# Altium PCB 6502_CPU_MainBoard_PCB_V1_2_x.PcbDoc (part 2 of 4)
Units mil, origin at the board's own origin, x right, y up, seen from the top; angles counter-clockwise.
Board outline 9000 x 6000 mil, 4 copper layers (Top Layer, Plane(GND), Plane(Power), Bottom Layer), stack 23.756 mil thick; 366 components, 374 nets, 1460 pads, 604 vias.
Unrouted connection lines stored in the file: 40.
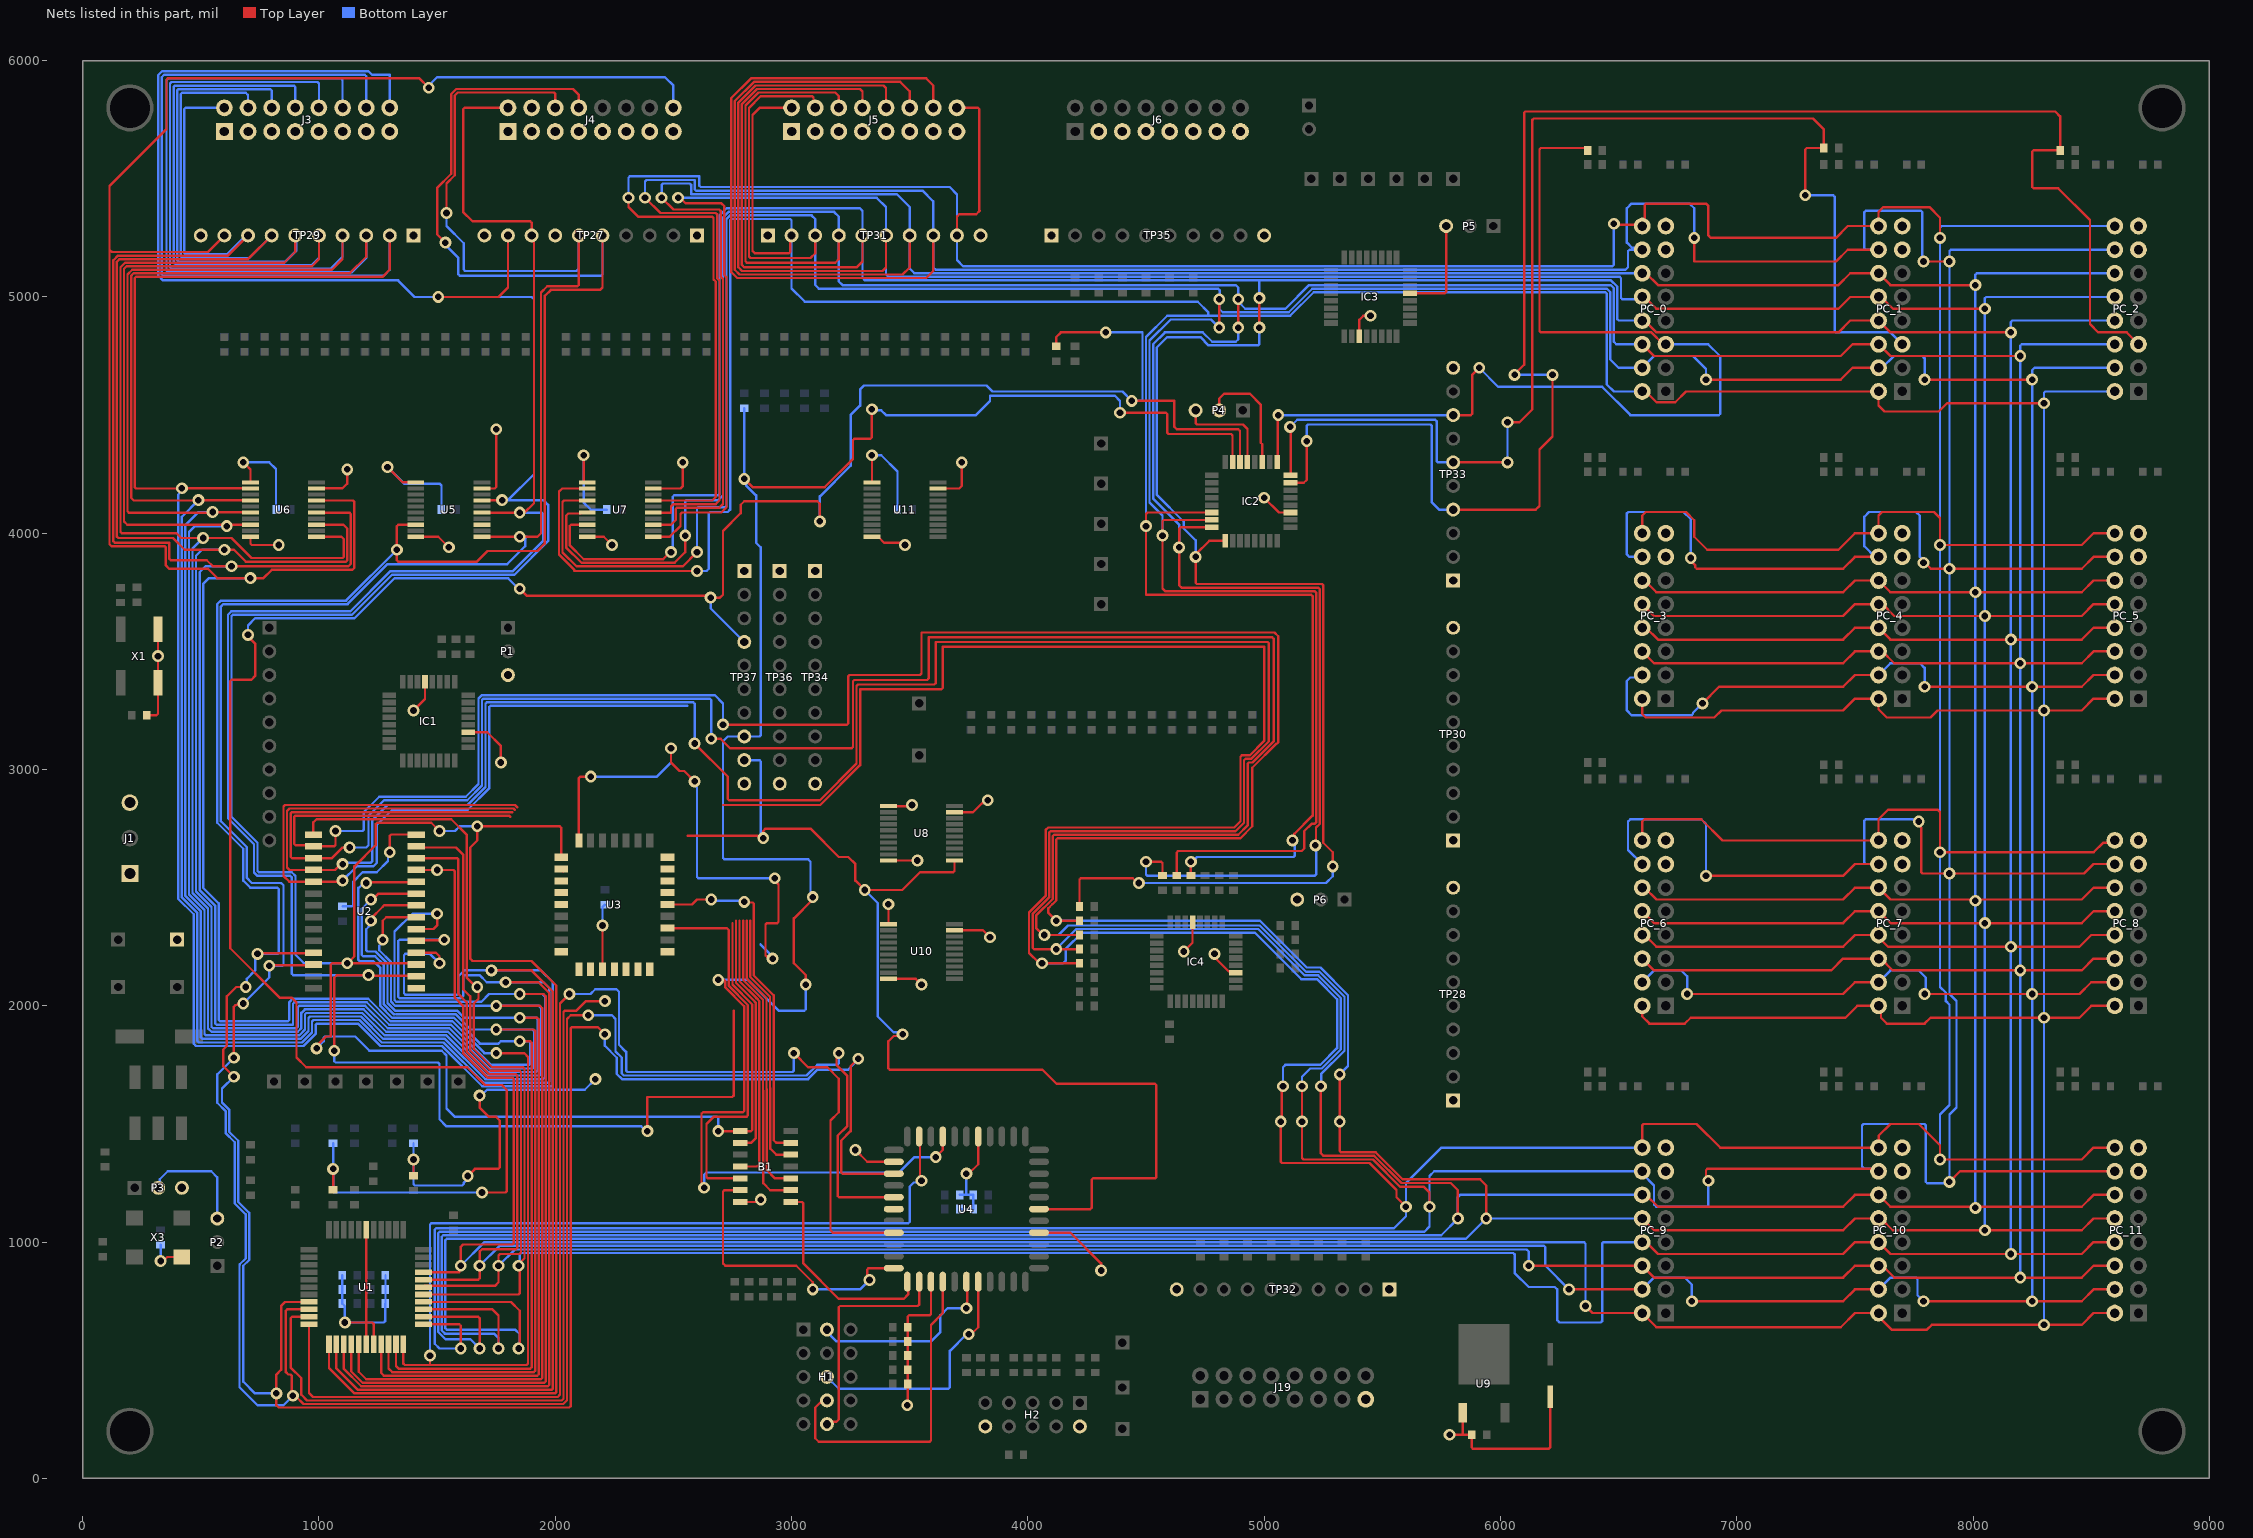
[diagram p4: the nets of this part, all layers, seen from the top]

## Via types
v1: diameter 50, hole 28, Top Layer to Bottom Layer, 604 vias

## Nets (pads, with @x,y where several pads share a name; then routed paths per layer and width w, separated by ;. In a path a pad name is that pad's centre, name@x,y a point inside that pad or via, vN(x,y) a via of type N, cw(c..) or ccw(c..) an arc to the next point about the centre after c; other vN are vias at no path point) (continued)
A3: J4.8 TP27.5 U1.8 U2.25 U3.9 U4.31 U5.8 | length 15188.2
  Top Layer w10: v1(640,1700) 595,1745 595,1815 610,1830 610,2040 650,2080 v1(690,2080) ; v1@730,2220 v1(740,2220) 742.5,2222.5 974.17,2222.5 U2.25@976.67,2225 ; U1.8@957.87,747.01 857.01,747.01 840,730 840,460 820,440 v1(820,360) 820,310 830,300 2059.14,300 2065,305.86 2065,1904.14 2070.86,1910 2180,1910 v1(2210,1880) ; v1@1330,3926.59 1330,3885.86 1335.86,3880 1668.79,3880 1713.79,3925 1925,3925 1956,3956 1956,5004.28 1981.72,5030 2190,5030 2200,5040 TP27.5@2200,5260 ; v1(1330,3930) 1330,4030.17 1335.86,4036.02 U5.8@1410.24,4036.02 ; v1(1535,5230) 1500,5265 1500,5461.21 1560,5521.21 1560,5858.79 1581.21,5880 2075,5880 2100,5855 J4.8@2100,5800 ; v1(3282.35,1776.49) 3250,1744.14 3250,1470 3210,1430 3210,1295.86 3215.86,1290 U4.31@3432.79,1290
  Bottom Layer w10: v1(640,1700) 590,1650 590,1591.21 620,1561.21 620,1467.57 658.79,1428.79 658.79,1170 705,1123.79 705,925 680,900 680,410 730,360 v1(820,360) ; v1(690,2080) 690,2090 695,2095 695,2114.5 730,2149.5 730,2220 v1(740,2220) 824.14,2220 830,2225.86 830,2494.14 824.14,2500 710,2500 680,2530 680,2665 570,2775 570,3700 585,3715 1115,3715 v1(1330,3930) ; v1(1535,5230) 1535,5219.18 1590,5164.18 1590,5095.86 1595.86,5090 2194.14,5090 2200,5095.86 TP27.5@2200,5260 ; v1(2210,1880) 2210,1831.21 2260.61,1780.61 2260.61,1711.82 2282.43,1690 3070,1690 3110,1730 3240,1730 3282.35,1772.35 v1(3282.35,1776.49)
A4: J4.6 TP27.6 U1.9 U2.26 U3.8 U4.33 U5.11 | length 14779
  Top Layer w10: v1(640,1780) 640,1996.36 647.07,2003.43 652.61,2003.43 669.18,2020 v1@680,2020 ; v1@791.21,2168.79 v1(790,2170) 792.5,2172.5 974.17,2172.5 U2.26@976.67,2175 ; U1.9@957.87,715.51 865.86,715.51 860,709.65 860,450 870,440 879.27,440 885.13,434.14 885.13,354.87 v1(890,350) 900,350 935,315 2034.14,315 2050,330.86 2050,1944.14 2065.86,1960 v1(2140,1960) ; v1(1540,5355) 1540,5480 1575,5515 1575,5852.57 1587.43,5865 1994.14,5865 2000,5859.14 J4.6@2000,5800 ; U5.11@1689.76,3984.84 v1(1850,3984.84) 1924.89,3984.84 1940,3999.95 1940,5019.14 1965.86,5045 2094.14,5045 2100,5050.86 TP27.6@2100,5260 ; v1@3190,1800 3190,1750 3235,1705 3235,1490 3195,1450 3195,1195.86 3200.86,1190 U4.33@3432.79,1190
  Bottom Layer w10: v1(640,1780) 570,1710 570,1590 605,1555 605,1461.36 643.79,1422.57 643.79,1163.79 690,1117.57 690,931.21 665,906.21 665,905 664.14,904.14 664.14,385.86 740,310 850,310 v1(890,350) ; v1(680,2010) 790,2120 v1(790,2170) 844.14,2170 850,2175.86 850,2510 840,2520 715.86,2520 695,2540.86 695,2671.21 585,2781.21 585,3690 595,3700 1121.21,3700 1290.74,3869.53 1797.1,3869.53 1872.42,3944.84 1872.42,3977.26 1880,3984.84 ; v1(1540,5355) 1540,5300 1612.5,5227.5 1612.5,5115.86 1618.36,5110 2090,5110 2100,5120 TP27.6@2100,5260 ; v1(2140,1960) 2240,1960 2255,1945 2255,1807.43 2281.21,1781.21 2281.21,1713.79 2290,1705 3063.79,1705 3108.79,1750 3194.14,1750 3200,1755.86 v1(3200,1800)
A5: J4.4 TP27.7 U1.10 U2.1 U3.7 U4.34 U5.13 | length 3376.4
  Top Layer w10: U1.10@957.87,684.02 885.86,684.02 880,678.16 880,470 925,425 925,355 950,330 2027.93,330 2035,337.07 2035,1974.14 2040.86,1980 2090,1980 2130,2020 v1(2210,2020)
A6: J4.2 TP27.8 U1.11 U2.2 U3.6 U4.36 U5.15 | length 14843.7
  Top Layer w10: U1.11@957.87,652.52 957.87,362.13 975,345 2010.36,345 2020,354.64 2020,2010 v1(2060,2050) ; v1@1065,1800 v1(1065,1810) 1065,2119.14 1075.86,2130 v1(1210,2130) 1212.5,2127.5 1409.21,2127.5 U2.2@1411.71,2125 ; U5.15@1689.76,4087.2 1870,4087.2 1910,4127.2 1910,5229.61 1909.39,5230.23 1909.39,5250.61 TP27.8@1900,5260 1900,5314.14 1894.14,5320 1650,5320 1610,5360 1610,5794.14 1615.86,5800 J4.2@1800,5800 ; U3.6@2025,2579 U3.6@2034,2570 ; v1(2390,1470) 2390,1614.14 2749.14,1614.14 2755,1620 2755,1978.93 2754.47,1979.47 ; v1(3010,1800) 3070,1740 3151.72,1740 3200,1691.72 3200,1550 3165,1515 3165,1050 3175,1040 U4.36@3432.79,1040
  Bottom Layer w10: v1(1065,1810) 1065,1765.86 1070.86,1760 1504.14,1760 1510,1754.14 1510,1520 1540,1490 2364.14,1490 2384.14,1470 v1(2390,1470) ; v1(1210,2130) 891.46,2130 885.61,2135.86 885.61,2543.18 878.79,2550 739.64,2550 725,2564.64 725,2683.79 615,2793.79 615,3655.36 629.64,3670 1133.64,3670 1303.17,3839.53 1820.74,3839.53 1950,3968.79 1950,4080 1942.8,4087.2 v1@1870,4087.2 ; v1(2060,2050) 2148.99,2050 2168.99,2070 2259.29,2070 2270,2059.29 2270,1835 2300,1805 2300,1725.86 2305.86,1720 3004.14,1720 3010,1725.86 v1(3010,1800)
  other v1: 1850,4087.2
A7: B1.1 J3.16 TP27.9 U1.12 U2.3 U3.5 U5.17 | length 18054.4
  Top Layer w10: v1(990,1820) 990,1830 1030,1870 1050,1870 1050,2174.14 1055.86,2180 v1(1120,2180) ; U1.12@1042.52,567.87 1042.52,467.48 1150,360 1999.14,360 2005,365.86 2005,2085 1900,2190 1650,2190 1640,2200 1640,2670 1670,2700 v1(1670,2760) 2019.14,2760 2025,2754.14 U3.5@2025,2629 ; U2.3@1414.21,2172.5 1406.71,2180 v1(1120,2180) ; v1(1505,5000) 1760,5000 1800,5040 TP27.9@1800,5260 ; v1(1510,2740) 1475,2775 1245.86,2775 1240,2769.14 1240,2680 1150,2590 1150,2210 v1(1120,2180) ; U5.17@1689.76,4138.39 1690.57,4139.19 1774.19,4139.19 v1(1775,4140) ; v1(2690,1470) B1.1@2783.23,1470 2828.25,1470 2834.11,1475.86 2834.11,2005.89 2750,2090 2750,2350
  Bottom Layer w10: v1(990,1820) 1020,1850 1020,1864.14 1025.86,1870 1153.36,1870 1213.36,1810 1520,1810 1540,1790 1540,1565.86 1575.86,1530 2684.14,1530 2690,1524.14 v1(2690,1470) ; v1(1120,2180) 936.46,2180 900.61,2215.86 900.61,2549.39 885,2565 745.86,2565 740,2570.86 740,2690 630,2800 630,3649.14 635.86,3655 1139.85,3655 1309.38,3824.53 1826.95,3824.53 1970,3967.57 1970,4120 1950,4140 1800,4140 1910,4250 1910,4990 1900,5000 v1(1505,5000) 1405,5000 1335,5070 340,5070 320,5090 320,5939.14 335.86,5955 1210,5955 1225,5940 1300,5940 J3.16@1300,5800 ; v1(1510,2740) 1576.17,2740 1596.17,2760 v1(1670,2760)
A8: B1.2 J3.14 TP29.2 U1.13 U2.4 U3.27 U6.2 | length 15359.3
  Top Layer w10: U6.2@710.24,4189.57 710.02,4189.78 420.22,4189.78 v1(420,4190) 419.57,4189.57 225.86,4189.57 220,4195.42 220,5079.14 225.86,5085 1269.14,5085 1300,5115.86 TP29.2@1300,5260 ; U1.13@1074.02,567.87 1074.02,465.98 1165,375 1984.14,375 1990,380.86 1990,2060 1900,2150 v1(1730,2150) ; U2.4@1411.71,2225 1495,2225 1510,2210 v1(1510,2180) ; 2765,2360 2765,2097.72 2845,2017.72 2845,2016.21 2849.11,2012.11 2849.11,1440.86 2828.25,1420 B1.2@2783.23,1420
  Bottom Layer w10: v1(420,4190) 420,4179.18 405,4164.18 405,2452.57 470,2387.57 470,1840 480,1830 935,1830 985.86,1880.86 985.86,1919.14 991.72,1925 1165,1925 1260,1830 1521.21,1830 1691.21,1660 1984.14,1660 1990,1665.86 1990,2100 1940,2150 v1(1730,2150) 1614.64,2150 1590,2125.36 1590,2053.14 1584.14,2047.28 1365.86,2047.28 1360,2053.14 1360,2214.14 1365.86,2220 1470,2220 v1(1510,2180) ; J3.14@1200,5800 1200,5934.14 1194.14,5940 345,5940 335,5930 335,5096.21 341.21,5090 1275,5090 1300,5115 TP29.2@1300,5260
A9: B1.4 J3.12 TP29.3 U1.14 U2.5 U3.26 U6.4 | length 14948.6
  Top Layer w10: U6.4@710.24,4138.39 709.43,4139.19 490.81,4139.19 v1(490,4140) 488.39,4138.39 216.61,4138.39 205,4150 205,5089.14 215.86,5100 1130,5100 1200,5170 TP29.3@1200,5260 ; U1.14@1105.51,567.87 1105.51,463.27 1178.79,390 1969.14,390 1975,395.86 1975,2053.79 1928.79,2100 v1(1790,2100) ; U2.5@1411.71,2275 1414.21,2277.5 1527.5,2277.5 v1(1530,2280) ; 2780,2360 2780,2103.93 2851.21,2032.72 2864.11,2019.83 2864.11,1329.96 2854.14,1320 B1.4@2783.23,1320
  Bottom Layer w10: v1(490,4140) 420,4070 420,2458.79 485.61,2393.18 485.61,1851.46 492.07,1845 928.79,1845 970.86,1887.07 970.86,1934.14 976.72,1940 1171.21,1940 1266.21,1845 1527.43,1845 1697.43,1675 1969.14,1675 1975,1680.86 1975,2075 1950,2100 1710,2100 1680,2130 1615.86,2130 1610,2124.14 1610,2042.28 1600,2032.28 1340.86,2032.28 1335,2038.14 1335,2274.14 1340.86,2280 v1(1530,2280) ; J3.12@1100,5800 1100,5918.54 1094.14,5924.39 360.86,5924.39 355,5918.54 355,5110.86 360.86,5105 1140,5105 1200,5165 TP29.3@1200,5260
A10: B1.5 J3.10 TP29.4 U1.15 U2.6 U3.23 U6.6 | length 14890.7
  Top Layer w10: U6.6@710.24,4087.2 708.84,4088.6 551.4,4088.6 v1(550,4090) 547.2,4087.2 195.86,4087.2 190,4093.06 190,5095.36 209.64,5115 1055,5115 1100,5160 TP29.4@1100,5260 ; U1.15@1137.01,567.87 1137.01,452.99 1185,405 1954.14,405 1960,410.86 1960,2040 1950,2050 v1(1850,2050) ; U2.6@1411.71,2325 1485,2325 1500,2340 v1(1500,2390) ; U3.23@2475,2329 2726,2329 2735,2320 2735,2083.79 2815,2003.79 2815,1535.86 2809.14,1530 2670,1530 2640,1500 2640,1275.86 2645.86,1270 B1.5@2783.23,1270
  Bottom Layer w10: v1(550,4090) 490,4090 435,4035 435,2465 500.61,2399.39 500.61,1865.86 506.46,1860 922.57,1860 955.86,1893.28 955.86,1949.14 961.72,1955 1177.43,1955 1272.43,1860 1533.64,1860 1703.64,1690 1947.93,1690 1957.93,1700 1957.93,2037.93 1945.86,2050 v1(1850,2050) 1720,2050 1686.64,2016.64 1678.36,2016.64 1677.72,2017.28 1327.28,2017.28 1320,2024.56 1320,2314.14 1395.86,2390 v1(1500,2390) ; J3.10@1000,5800 1000,5903.54 994.14,5909.39 375.86,5909.39 370,5903.54 370,5125.86 375.86,5120 1050,5120 1100,5170 TP29.4@1100,5260
A10_A7: B1.8 U4.40 | length 878.7
  Top Layer w10: B1.8@2996.77,1170 3044.14,1170 3050,1164.14 3050,910 3200,760 3475.01,760 3493.36,778.36 3493.36,829.44 U4.40@3490,832.8
A11: B1.13 J3.8 TP29.5 U1.16 U2.7 U3.25 U6.8 | length 14181.6
  Top Layer w10: v1(610,4030) v1@610,4036.02 ; U6.8@710.24,4036.02 v1@610,4036.02 ; TP29.5@1000,5260 1000,5160 970,5130 185.86,5130 175,5119.14 175,4050 188.98,4036.02 v1@610,4036.02 ; U1.16@1168.5,567.87 1168.5,451.5 1200,420 1939.14,420 1945,425.86 1945,1990 1935,2000 v1(1750,2000) ; v1(1270,2280) 1270,2360 1285,2375 U2.7@1411.71,2375 ; U3.25@2475,2429 2579,2429 2600,2450 v1(2660,2450) ; v1(2800,2440) 2802.43,2437.57 2834.14,2437.57 2840,2431.72 2840,2128.79 2879.39,2089.39 2924.11,2044.68 2924.11,1659.68 2925,1658.79 2925,1430.86 2935.86,1420 B1.13@2996.77,1420
  Bottom Layer w10: v1(610,4030) 475,4030 450,4005 450,2471.21 515.61,2405.61 515.61,1880.86 521.46,1875 916.36,1875 940.86,1899.5 940.86,1964.14 946.72,1970 1183.64,1970 1278.64,1875 1539.85,1875 1709.85,1705 1934.14,1705 1940,1710.86 1940,1990 1930,2000 v1(1750,2000) 1323.35,2000 1305,2018.35 1305,2185 1255,2235 1255,2254.18 1270,2269.18 v1(1270,2280) ; J3.8@900,5800 900,5888.54 894.14,5894.39 390.86,5894.39 385,5888.54 385,5145.86 395.86,5135 970,5135 1000,5165 TP29.5@1000,5260 ; v1(2660,2450) 2665,2445 2795,2445 v1(2800,2440)
A12: B1.9 J3.6 TP29.6 U1.19 U2.8 U3.4 U6.11 | length 15987.7
  Top Layer w10: TP29.6@900,5260 900,5191.39 853.61,5145 179.64,5145 160,5125.36 160,4005.86 165.86,4000 397.28,4000 417.28,3980 v1(510,3980) 630,3980 715,3895 1099.14,3895 1105,3900.86 1105,3975 1095.16,3984.84 U6.11@989.76,3984.84 ; v1(1220,2360) 1220,2369.14 1270,2419.14 1275.86,2425 U2.8@1411.71,2425 ; U1.19@1262.99,567.87 1262.99,447.01 1275,435 1924.14,435 1930,440.86 1930,1944.14 1924.14,1950 v1(1850,1950) ; U3.4@2100,2700 2100,2964.14 2105.86,2970 v1(2150,2970) ; v1(2490,3090) 2490,3030 2526.17,2993.83 2546.17,2993.83 v1(2590,2950) ; 2795,2360 2795,2110.15 2879.11,2026.04 2879.11,1641.04 2880,1640.15 2880,1250 2910,1220 B1.9@2996.77,1220 ; v1(2920,2200) 2912.35,2207.65 2895.86,2207.65 2890,2213.51 2890,2344.14 2895.86,2350 2939.14,2350 2945,2355.86 2945,2512.94 2928.77,2529.18 v1(2928.77,2540)
  Bottom Layer w10: v1(510,3980) 465,3935 465,2477.43 530.61,2411.82 530.61,1904.64 545.25,1890 910.15,1890 925.86,1905.71 925.86,1970.36 940.5,1985 1189.85,1985 1284.85,1890 1546.07,1890 1716.07,1720 1919.14,1720 1925,1725.86 1925,1944.14 1919.14,1950 v1(1850,1950) 1613.64,1950 1583.64,1980 1322.13,1980 1290,2012.13 1290,2178.79 1238.79,2230 1205.86,2230 1200,2235.86 1200,2324.14 1212.35,2336.49 1212.35,2352.35 v1(1220,2360) ; J3.6@800,5800 800,5873.54 794.14,5879.39 405.86,5879.39 400,5873.54 400,5155.86 405.86,5150 859.14,5150 905,5195.86 905,5255 TP29.6@900,5260 ; v1(2150,2970) 2430,2970 2490,3030 v1(2490,3090) ; v1(2590,2950) 2597.65,2942.35 2597.65,2926.49 2600,2924.14 2600,2545.86 2605.86,2540 v1(2928.77,2540) ; 2868.91,2260 2920,2208.91 v1(2920,2200)
A13: B1.12 J3.4 TP29.7 U1.20 U2.9 U3.28 U6.13 | length 13327.8
  Top Layer w10: TP29.7@800,5260 700,5160 155.86,5160 145,5149.14 145,3985.86 150.86,3980 382.28,3980 432.28,3930 v1(600,3930) 640,3930 690,3880 1114.14,3880 1120,3885.86 1120,4020 1103.98,4036.02 U6.13@989.76,4036.02 ; v1(1220,2450) 1226.57,2450 1251.57,2475 U2.9@1411.71,2475 ; U1.20@1294.49,567.87 1294.49,465.86 1310.35,450 1909.14,450 1915,455.86 1915,1894.14 1909.14,1900 v1(1750,1900) ; 2825,2360 2825,2122.57 2909.11,2038.47 2909.11,1653.47 2910,1652.57 2910,1395.86 2935.86,1370 B1.12@2996.77,1370
  Bottom Layer w10: v1(600,3930) 505,3930 480,3905 480,2483.64 545.61,2418.03 545.61,1910.86 551.46,1905 903.93,1905 910.86,1911.92 910.86,1994.14 916.72,2000 1196.07,2000 1291.07,1905 1552.28,1905 1722.28,1735 1904.14,1735 1910,1740.86 1910,1894.14 1904.14,1900 1642.43,1900 1577.43,1965 1327.07,1965 ; J3.4@700,5800 700,5854.39 690,5864.39 420.86,5864.39 415,5858.54 415,5170.86 420.86,5165 705,5165 TP29.7@800,5260 ; v1(1220,2450) 1180.86,2410.86 1180.86,2215.86 1186.72,2210 1237.57,2210 1275,2172.57 1275,2005.92 1315.92,1965 1320,1965
A14: B1.10 J3.2 TP29.8 U1.21 U2.10 U3.29 U6.15 | length 12904.3
  Top Layer w10: J3.2@600,5800 J3.2@610,5800 ; TP29.8@700,5260 615,5175 149.64,5175 130,5155.36 130,3965.86 135.86,3960 367.28,3960 367.28,3891.72 373.14,3885.86 525.36,3885.86 551.21,3860 v1(630,3860) 1125.18,3860 1135,3869.82 1135,4081.35 1129.14,4087.2 U6.15@989.76,4087.2 ; v1(1200,2520) 1202.5,2522.5 1409.21,2522.5 U2.10@1411.71,2525 ; U1.21@1325.98,567.87 1325.98,475.86 1336.84,465 1894.14,465 1900,470.86 1900,1844.14 1894.14,1850 v1(1850,1850) ; 2810,2360 2810,2116.36 2894.11,2032.25 2894.11,1647.25 2895,1646.36 2895,1305 2930,1270 B1.10@2996.77,1270
  Bottom Layer w10: J3.2@600,5800 435.86,5800 430,5794.14 430,5185.86 435.86,5180 610,5180 690,5260 TP29.8@700,5260 ; v1(630,3860) 520,3860 495,3835 495,2489.85 560.61,2424.25 560.61,1925.86 566.46,1920 890,1920 890,2009.14 895.86,2015 1202.28,2015 1297.28,1920 1558.49,1920 1728.49,1750 1889.14,1750 1895,1755.86 1895,1844.14 1889.14,1850 v1(1850,1850) 1769.59,1850 1759.59,1840 1681.21,1840 1571.21,1950 1309.71,1950 1260,1999.71 1260,2160 1230,2190 1171.72,2190 1165.86,2195.86 1165.86,2500 1169.18,2500 1189.18,2520 v1(1200,2520)
A14_A11: B1.6 U4.39 | length 1243
  Top Layer w10: B1.6@2783.23,1220 2715.86,1220 2710,1214.14 2710,910 2720,900 3020,900 3090,830 v1(3090,800) ; v1(3330,840) 3330,850.82 3320,860.82 3320,884.14 3325.86,890 U4.39@3432.79,890
  Bottom Layer w10: v1(3090,800) 3290,800 v1(3330,840)
A15: J4.16 TP29.9 U1.22 U4.27 U6.17 | length 15003.6
  Top Layer w10: TP29.9@600,5260 530,5190 123.79,5190 113.79,5200 ; U6.17@989.76,4138.39 1144.14,4138.39 1150,4132.53 1150,3853.79 1141.21,3845 800,3845 765,3810 570,3810 530,3850 365.86,3850 352.28,3863.58 352.28,3940 347.28,3945 122.43,3945 113.79,3953.64 113.79,5200 ; U1.22@1357.48,567.87 1357.48,485.86 1363.34,480 1470,480 ; v1(1465,5885) 1425,5925 360.86,5925 355,5919.14 355,5710 113.79,5468.79 113.79,5200 ; v1(1470,520) 1470,480 ; v1(1750,1800) 1869.14,1800 1885,1784.14 1885,485.86 1879.14,480 1470,480 ; U4.27@3540,1447.2 3543.36,1443.84 3543.36,1266.64 v1(3550,1260)
  Bottom Layer w10: v1(710,3810) 535,3810 510,3785 510,2500 575.61,2434.39 575.61,1940.86 581.46,1935 869.14,1935 875,1940.86 875,2016.21 888.79,2030 1208.49,2030 1303.49,1935 1565,1935 1700,1800 v1(1750,1800) ; v1(1465,5885) 1465,5895 1500,5930 2464.14,5930 2500,5894.14 J4.16@2500,5800 ; v1(1470,520) 1470,1074.14 1475.86,1080 3494.14,1080 3500,1085.86 3500,1235 3517.35,1252.35 3542.35,1252.35 v1(3550,1260)
BE: R4.1 R7.1 TP37.9 U4.12 U8.11 | length 6371
  Top Layer w10: R7.1@1400,1281.5 v1(1400,1350) ; v1(1630,1280) 1660,1310 1759.14,1310 1765,1315.86 1765,1515 1750,1530 1720,1530 1680,1570 v1(1680,1620) ; 2560,2720 2854.14,2720 2856.49,2717.65 2872.35,2717.65 v1(2880,2710) 2880,2740 2890,2750 3080,2750 3200,2630 3240,2630 3270,2600 3270,2530 v1(3310,2490) 3468.79,2490 3543.79,2565 3683.91,2565 3689.76,2570.86 U8.11@3689.76,2614.84 ; v1(3470,1880) 3462.35,1872.35 3432.35,1872.35 3410,1850 3410,1735.86 3415.86,1730 4061.21,1730 4121.21,1670 4538.11,1670 4543.96,1664.14 4543.96,1275.86 4538.11,1270 4275.86,1270 4270,1264.14 4270,1145.86 4264.14,1140 U4.12@4047.2,1140
  Bottom Layer w10: R4.1@1400,1418.5 v1(1400,1350) 1400,1245.86 1405.86,1240 1606.36,1240 1613.43,1247.07 1613.43,1252.61 1630,1269.18 v1(1630,1280) ; v1(1680,1620) 1686.57,1620 1711.57,1645 2125,1645 v1(2170,1690) ; TP37.9@2800,3040 2864.14,3040 2870,3034.14 v1@2870,2710 ; v1(3310,2490) 3365,2435 3365,1955 3432.35,1887.65 3462.35,1887.65 v1(3470,1880)
D0: IC2.6 J5.2 PC_0.2 PC_1.2 PC_2.2 PC_3.2 PC_4.2 PC_5.2 PC_6.2 PC_7.2 PC_8.2 PC_9.2 PC_10.2 PC_11.2 R247.1 TP31.2 U1.30 U2.11 U3.13 U7.2 | length 32582.3
  Top Layer w10: U2.11@1411.71,2575 v1(1500,2575) 1569.14,2575 1575,2569.14 1575,2035 1610,2000 1610,1800 1715,1695 1820,1695 1825,1690 1825,995.86 1819.14,990 1610,990 1600,980 v1(1600,900) 1594.14,894.14 1594.14,872.99 U1.30@1442.13,872.99 ; U7.2@2110.24,4189.57 2029.57,4189.57 2016,4176 2016,3910 2080,3846 2080,3840 v1(2600,3840) ; TP31.2@3000,5260 2995,5255 2995,5190.86 2989.14,5185 2845,5185 2835,5195 2835,5770 2865,5800 J5.2@3000,5800 J5.2@3010,5800 ; R247.1@4690,2551.5 v1(4690,2610) ; IC2.6@4778.15,4087.76 4505.86,4087.76 4500,4081.9 v1(4500,4030) 4500,3740 5199.14,3740 5205,3734.14 5205,2805 5127.65,2727.65 5127.65,2707.65 v1(5120,2700) ; v1(6360,730) 6390,700 PC_9.2@6600,700 6660,640 7440,640 7500,700 PC_10.2@7600,700 7600,685 7655,630 7805,630 7825,650 v1(8300,650) 8460,650 8510,700 PC_11.2@8600,700 ; PC_6.2@6600,2000 6600,1955.3 6630.3,1925 6780,1925 6805,1950 7460,1950 7510,2000 PC_7.2@7600,2000 7610.43,1989.57 7610.43,1949.57 7635,1925 7795,1925 7820,1950 v1(8300,1950) 8450,1950 8500,2000 PC_8.2@8600,2000 ; PC_3.2@6600,3300 6600,3235 6615,3220 6905,3220 6935,3250 7450,3250 7500,3300 PC_4.2@7600,3300 7600,3255 7635,3220 7820,3220 7850,3250 v1(8300,3250) 8460,3250 8510,3300 PC_5.2@8600,3300 ; PC_0.2@6600,4600 6614.99,4600 6660.42,4554.57 6739.58,4554.57 6785.01,4600 PC_1.2@7600,4600 7600,4540 7625,4515 7855,4515 7890,4550 v1(8300,4550)
  Bottom Layer w10: v1(1600,900) 1699.14,999.14 6354.14,999.14 6360,993.28 v1(6360,730) ; v1(2600,3840) 2640,3840 2650,3850 2650,4084.14 2655.86,4090 2730,4090 2740,4100 2740,5324.14 2745.86,5330 2994.14,5330 3000,5324.14 TP31.2@3000,5260 3000,5035.86 3056.29,4979.57 4718.71,4979.57 4764.14,4934.14 4764.14,4920 ; v1(4500,4030) 4500,4830 4590,4920 4764.14,4920 ; v1(4690,2610) 4695.86,2610 4715.86,2630 5124.14,2630 5130,2635.86 5130,2679.18 5120,2689.18 v1(5120,2700) ; PC_0.2@6600,4600 6480,4600 6450,4630 6450,5014.14 6444.14,5020 5210,5020 5110,4920 4764.14,4920 ; v1(8300,650) v1(8300,1950) v1(8300,3250) ; v1@8300,3260 v1(8300,4550) 8300,4594.14 8305.86,4600 PC_2.2@8600,4600
D1: IC2.7 J5.4 PC_0.4 PC_1.4 PC_2.4 PC_3.4 PC_4.4 PC_5.4 PC_6.4 PC_7.4 PC_8.4 PC_9.4 PC_10.4 PC_11.4 R249.1 TP31.3 U1.29 U2.12 U3.14 U7.4 | length 33349.1
  Top Layer w10: U2.12@1411.71,2625 1584.14,2625 1590,2619.14 1590,2050 1625,2015 1625,1806.21 1721.21,1710 1834.14,1710 1840,1704.14 1840,975.86 1834.14,970 1690,970 1680,960 v1(1680,900) 1680,847.35 1674.14,841.5 U1.29@1442.13,841.5 ; U7.4@2110.24,4138.39 2036.86,4138.39 2031,4132.53 2031,3919 2090,3860 2540,3860 v1(2600,3920) ; TP31.3@3100,5260 3100,5185 3080,5165 2825.86,5165 2820,5170.86 2820,5800 2870,5850 3086.96,5850 3092.82,5844.14 3092.82,5807.18 J5.4@3100,5800 ; R249.1@4630,2551.5 4630,2649.14 4635.86,2655 5159.14,2655 5170,2665.86 5170,2739.64 5200.36,2770 5214.14,2770 5220,2775.86 5220,3749.14 5214.14,3755 4580.86,3755 4570,3765.86 v1(4570,3990) 4570,4050.4 4575.86,4056.26 IC2.7@4778.15,4056.26 ; v1(4810,4870) v1(4810,4990) ; v1(6290,800) PC_9.4@6600,800 ; v1(6790,2050) 7450,2050 7500,2100 PC_7.4@7600,2100 ; v1(6810,750) 7450,750 7500,800 PC_10.4@7600,800 ; v1(6855,3280) 6925,3350 7450,3350 7500,3400 PC_4.4@7600,3400 ; v1(6870,4650) 7440,4650 7490,4700 PC_1.4@7600,4700 ; v1(7790,750) v1(8250,750) 8460,750 8510,800 PC_11.4@8600,800 ; v1(7795,2050) v1(8250,2050) 8450,2050 8500,2100 PC_8.4@8600,2100 ; v1(7795,3350) v1(8250,3350) 8460,3350 8510,3400 PC_5.4@8600,3400 ; v1(7795,4650) v1(8250,4650)